# Altium PCB FPGA.PcbDoc (part 2 of 2)
Units mm, origin at the board's own origin, x right, y up, seen from the top; angles counter-clockwise.
Board outline 25.5 x 25.5 mm, 6 copper layers (1 Top (Sig/Pwr), 2 (GND), 3 (Sig/Pwr), 4 (GND/Sig), 5 (GND), 6 Bottom (Sig/Pwr)), stack 1.74 mm thick; 87 components, 94 nets, 547 pads, 156 vias.
Unrouted connection lines stored in the file: 223.
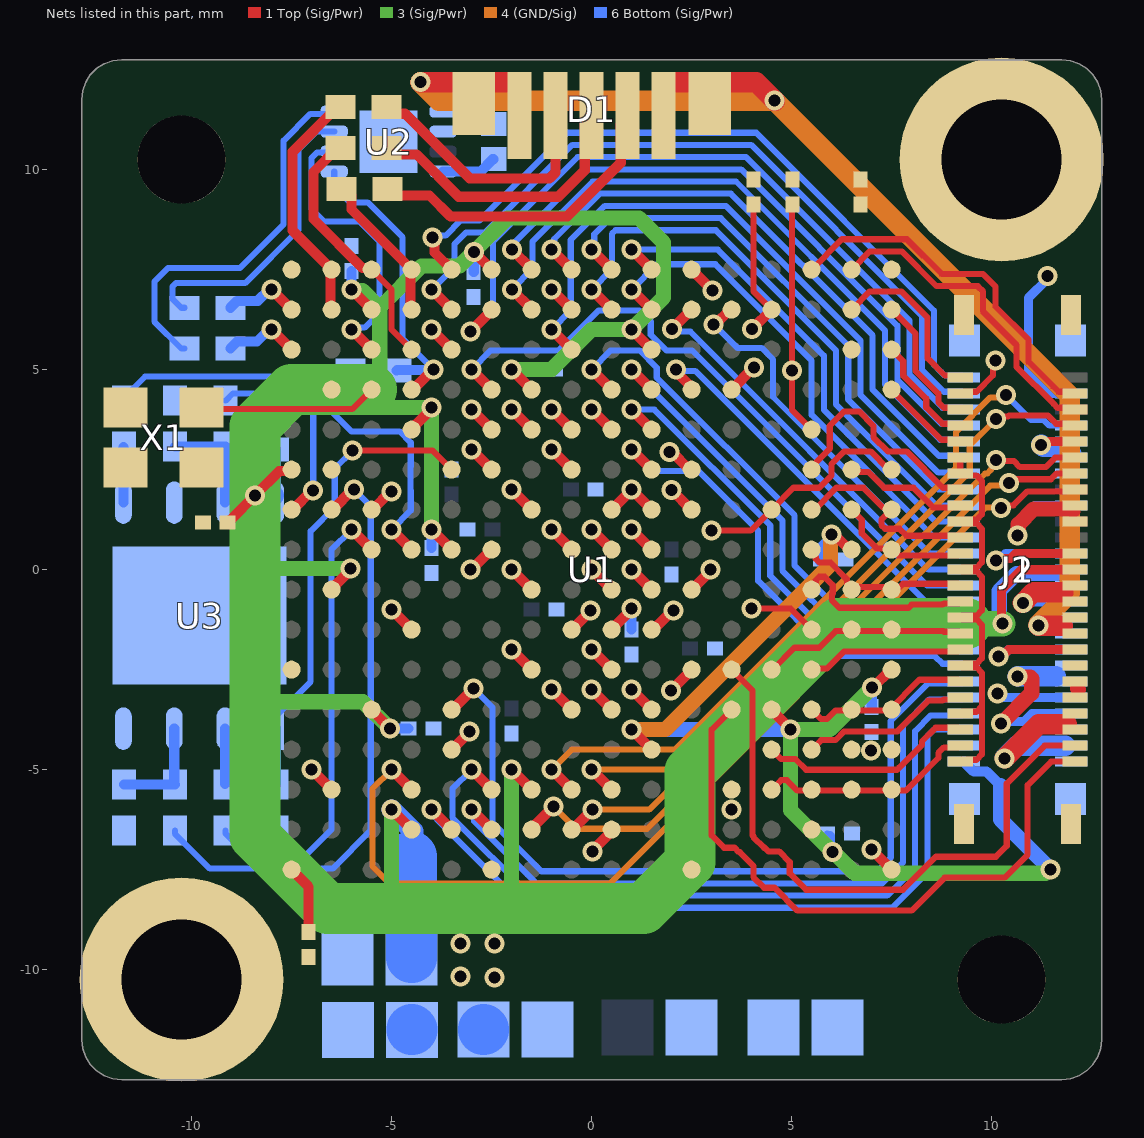
[diagram p6: the nets of this part, all layers, seen from the top]

## Via types
v1: diameter 0.5, hole 0.3, 1 Top (Sig/Pwr) to 6 Bottom (Sig/Pwr), tented both sides, 156 vias

## Nets (pads, with @x,y where several pads share a name; then routed paths per layer and width w, separated by ;. In a path a pad name is that pad's centre, name@x,y a point inside that pad or via, vN(x,y) a via of type N, cw(c..) or ccw(c..) an arc to the next point about the centre after c; other vN are vias at no path point) (continued)
+2.5: C39.2 C40.2 C41.2 C42.2 C43.2 C44.2 C45.2 J1.25 U1.A6 U1.B3 U1.D7 U1.E4 U1.F1 U1.J2 | length 31.9
  1 Top (Sig/Pwr) w0.254: v1(1,-4) U1.D7@1.5,-4.5 ; U1.E4@4.5,-3.5 4.5,-3.513 4.975,-3.987 v1(4.975,-4) ; v1(5.997,0.883) 6.044,0.836 6.111,0.836 6.447,0.5 U1.J2@6.5,0.5 ; v1(7.01,-2.946) 7.032,-2.946 7.478,-2.5 U1.F1@7.5,-2.5
  3 (Sig/Pwr) w0.381: v1(7.01,-2.946) 5.957,-4 v1(4.975,-4) 4.975,-6.016 v1(6.02,-7.061) 6.052,-7.061 6.584,-7.593 11.35,-7.593 11.443,-7.5 v1(11.475,-7.5)
  4 (GND/Sig) w0.381: v1(1,-4) 1.842,-4 5.974,0.132 5.974,0.861 v1(5.997,0.883)
  6 Bottom (Sig/Pwr) w0.152: C42.2@5.89,-6.6 C42.2@5.955,-6.665 ; v1@5.955,-6.996 v1(6.02,-7.061)
  6 Bottom (Sig/Pwr) w0.254: C41.2@4.975,-4.5 v1(4.975,-4) ; C39.2@5.707,0.204 5.707,0.527 5.997,0.817 v1(5.997,0.883) ; v1@5.955,-6.996 C42.2@5.955,-6.665 ; C40.2@7,-3.44 7.005,-3.435 7.005,-2.952 v1(7.01,-2.946) ; J1.25@9.305,-4.8 9.556,-5.051 9.876,-5.051 10.225,-5.4
  6 Bottom (Sig/Pwr) w0.381: v1(1,-4) v1(4.975,-4) ; 10.225,-5.4 10.225,-6.25 v1(11.475,-7.5)
+3.3: C17.2 C18.2 C19.1 C20.1 C21.1 C22.1 C23.1 C24.1 C25.2 C26.2 C27.2 C29.2 C30.2 C31.2 C32.2 C33.1 C34.1 C35.1 C36.1 C37.1 C38.1 C46.2 C47.2 C48.2 J1.37 J1.38 J2.38 R1.1 R2.2 R3.2 R4.2 R5.2 R7.2 R10.2 R16.2 R17.2 R18.2 R19.2 U1.A16 U1.B13 U1.C10 U1.E14 U1.H15 U1.J12 U1.L6 U1.L16 U1.M3 U1.M13 U1.N10 U1.P7 U1.R4 U1.R14 U1.T1 U1.T11 U2.6 U2.8 U3.8 X1.4 | length 105.3
  1 Top (Sig/Pwr) w0.152: C26.2@4.15,9.23 4.046,9.126 4.046,6.954 U1.R4@4.5,6.5 ; C27.2@5.014,9.01 v1(5.014,4.975) 5.014,3.986 U1.M3@5.5,3.5
  1 Top (Sig/Pwr) w0.229: v1(10.275,-1.35) 10.247,-1.322 10.247,-0.503 10.748,-0.002 J2.38@11.897,-0.002
  1 Top (Sig/Pwr) w0.254: C21.1@-9.097,1.175 -9.07,1.175 -9.024,1.221 -9.024,1.248 v1(-8.417,1.855) -7.809,2.462 -7.538,2.462 U1.L16@-7.5,2.5 ; U1.A16@-7.5,-7.462 U1.A16@-7.5,-7.5 -7.5,-7.507 -7.075,-7.932 C35.1@-7.075,-9.065 ; U1.H15@-6.5,-0.5 -6.5,-0.475 -6.025,0 v1(-6.025,0.025) ; v1(-6,7) U1.R14@-5.5,6.5 ; U1.E14@-5.5,-3.5 -5.5,-3.509 -5.043,-3.966 v1(-5.043,-3.975) ; v1(-5,-6) U1.B13@-4.5,-6.5 ; U1.M13@-4.5,3.5 -4.5,3.525 -4,4.025 v1(-4,4.05) ; v1(-4,1) U1.J12@-3.5,0.5 ; v1(-2.946,7.946) U1.T11@-2.5,7.5 ; v1(-2,-5) U1.C10@-1.5,-5.5 ; v1(-2,5) U1.N10@-1.5,4.5 ; v1(0.999,6) U1.P7@1.5,5.5 ; v1(1.946,2.946) 2.001,2.946 2.447,2.5 U1.L6@2.5,2.5 ; v1(4.013,6.02) 4.017,6.02 4.497,6.5 U1.R4@4.5,6.5
  3 (Sig/Pwr) w0.381: -8.417,-3.304 -5.714,-3.304 v1(-5.043,-3.975) ; -8.342,0.025 v1(-6.025,0.025) ; v1(-6,7) -5.977,6.977 -5.727,6.977 -5.298,6.548 ; -5.775,4.775 -5.5,4.5 ; -5.6,4.05 v1(-4,4.05) v1(-4,1) ; -5.298,4.75 -5.298,6.548 ; -5,-7.85 v1(-5,-6) ; v1@-2.969,7.923 -3.299,7.593 -4.252,7.593 -5.298,6.548 ; v1(-2.946,7.946) -2.104,8.788 1.187,8.788 1.8,8.175 1.8,6.801 v1(0.999,6) 0,6 -1.001,5 v1(-2,5) ; -2,-7.842 v1(-2,-5)
  3 (Sig/Pwr) w0.635: 9.365,-1.35 v1(10.275,-1.35)
  3 (Sig/Pwr) w1.27: -5.5,4.5 -7.5,4.5 -8.417,3.583 v1(-8.417,1.855) -8.417,-3.304 -8.417,-6.658 -6.6,-8.475 1.3,-8.475 2.463,-7.312 2.463,-5.045 6.158,-1.35 9.365,-1.35
  6 Bottom (Sig/Pwr) w0.254: U3.8@-7.895,1.81 C47.2@-7.895,2.984 ; v1(-6,7) C23.1@-6,7.465 ; v1(-5.043,-3.975) C37.1@-4.575,-3.975 ; C38.1@-4,0.545 v1(-4,1) ; U2.8@-3.715,9.95 -2.78,9.95 -2.47,10.26 C46.2@-2.45,10.26 ; C24.1@-2.946,7.439 -2.948,7.441 -2.948,7.944 v1(-2.946,7.946) ; C36.1@-2,-5.475 v1(-2,-5) ; v1(-2,5) C22.1@-1.535,5
  6 Bottom (Sig/Pwr) w0.381: 10.188,-1.08 10.188,-0.532 10.621,-0.099 J1.38@11.603,-0.099
  6 Bottom (Sig/Pwr) w0.508: v1(-8.417,1.855) U3.8@-7.94,1.855 ; v1(-5,-6) -4.459,-6.541 -4.459,-6.913
  6 Bottom (Sig/Pwr) w1.27: -4.5,-7.175 C31.2@-4.5,-9.7 C31.2@-4.496,-9.704 ; C32.2@-4.496,-11.5 C32.2@-4.492,-11.504 C32.2@-4.49,-11.502 ; C18.2@-2.702,-11.502 C18.2@-2.7,-11.5
  other v1: -2.425,-10.2 -3.275,-10.175 -3.275,-9.35 -2.425,-9.35
+5: D1.1 D1.2 D1.6 D1.7 J1.34 J1.35 J2.34 J2.35 | length 34.7
  1 Top (Sig/Pwr) w0.508: v1(-4.272,12.188) -4.27,12.186 -2.961,12.186 D1.7@-2.95,12.175 ; D1.7@-2.95,11.65 -2.95,11.91 -2.818,12.042 -2.674,12.186 -1.846,12.186 -1.8,12.14 D1.6@-1.8,11.35 ; D1.2@1.8,11.35 1.8,12.139 1.846,12.185 2.674,12.185 D1.1@2.95,11.909 ; D1.1@2.95,11.65 2.95,11.907 3.089,12.046 3.226,12.183 4.117,12.183 v1(4.575,11.725) ; v1(11.175,-1.4) 11.775,-1.4
  4 (GND/Sig) w0.508: v1(-4.272,12.188) -4.272,12.172 -3.825,11.725 v1(4.575,11.725) 11.954,4.346 11.954,-0.59 11.175,-1.369 v1(11.175,-1.4)
  6 Bottom (Sig/Pwr) w0.508: v1(11.175,-1.4) 11.775,-1.4
+12_CAB: J1.29 J1.31 J1.32 J2.30 J2.31 J2.32 | length 4.7
  1 Top (Sig/Pwr) w0.381: v1(10.237,-3.853) 11.002,-3.088 11.002,-2.969 11.002,-2.726 10.967,-2.691 10.668,-2.691 v1(10.645,-2.669) ; 12.144,-2.969 12.175,-3
  6 Bottom (Sig/Pwr) w0.229: v1(10.237,-3.853) 10.289,-3.801 10.806,-3.801 11.007,-3.6 J1.29@11.995,-3.6
  6 Bottom (Sig/Pwr) w0.508: v1(10.645,-2.669) 11.606,-2.669
AGND: C1.1 FB2.2 U1.G7 U1.H7 U1.H8 U1.J7 U1.J8 | length 3.6
  1 Top (Sig/Pwr) w0.254: v1(0,0) U1.H8@0.5,-0.5 ; v1(0,1) U1.J8@0.5,0.5 ; v1(1,0) U1.H7@1.5,-0.5 ; v1(1,1) U1.J7@1.5,0.5 ; U1.G7@1.5,-1.5 1.537,-1.5 2.012,-1.025 v1(2.05,-1.025)
CAM_CLK_EN: J2.5 U1.N1 | length 2.3
  1 Top (Sig/Pwr) w0.152: U1.N1@7.5,4.5 7.5,4.49 8.743,3.246 9.169,3.246 J2.5@9.215,3.2
CAM_CLKIN_N: J2.26 U1.E5 | length 15.9
  1 Top (Sig/Pwr) w0.152: U1.E5@3.5,-3.5 3,-4 3,-6.641 3.312,-6.954 3.573,-6.954 3.68,-7.061 3.702,-7.061 4.046,-7.405 4.046,-7.688 4.312,-7.954 4.573,-7.954 5.144,-8.525 8,-8.525 8.825,-7.7 10.323,-7.7 10.9,-7.123 10.9,-5.391 11.491,-4.8 J2.26@12.085,-4.8
CAM_CLKIN_P: J2.27 U1.F5 | length 15.6
  1 Top (Sig/Pwr) w0.152: U1.F5@3.5,-2.5 4.023,-3.023 4.023,-6.642 4.046,-6.666 4.046,-6.688 4.312,-6.954 4.327,-6.954 4.42,-7.046 4.688,-7.046 4.954,-7.312 4.954,-7.595 5.361,-8.002 7.783,-8.002 8.608,-7.177 10.106,-7.177 10.377,-6.906 10.377,-5.348 11.325,-4.4 J2.27@12.085,-4.4
CAM_CLKOUT_N: J2.24 U1.C1 U1.C2 U1.C3 U1.C4 | length 5.5
  1 Top (Sig/Pwr) w0.152: U1.C4@4.5,-5.5 4.739,-5.261 4.881,-5.261 5.146,-5.526 7.854,-5.526 8.671,-4.709 8.671,-4.58 8.805,-4.446 9.169,-4.446 J2.24@9.215,-4.4
CAM_CLKOUT_P: J2.23 U1.D4 | length 5.4
  1 Top (Sig/Pwr) w0.152: U1.D4@4.5,-4.5 4.739,-4.739 5.097,-4.739 5.362,-5.004 7.638,-5.004 7.688,-4.954 8.253,-4.388 ; 8.26,-4.382 8.26,-4.295 8.601,-3.954 9.169,-3.954 J2.23@9.215,-4
CAM_DOUT0_N: J2.21 U1.D3 | length 4.3
  1 Top (Sig/Pwr) w0.152: U1.D3@5.5,-4.5 5.739,-4.261 6.097,-4.261 6.312,-4.046 6.693,-4.046 7.642,-4.046 8.412,-3.276 8.775,-3.276 8.805,-3.246 9.169,-3.246 J2.21@9.215,-3.2
CAM_DOUT0_P: J2.20 U1.E1 U1.E2 U1.E3 | length 4.2
  1 Top (Sig/Pwr) w0.152: U1.E3@5.5,-3.5 5.739,-3.739 5.881,-3.739 6.096,-3.524 6.476,-3.524 7.425,-3.524 8.195,-2.754 9.169,-2.754 J2.20@9.215,-2.8
CAM_DOUT1_N: J2.18 U1.F3 | length 3.9
  1 Top (Sig/Pwr) w0.152: U1.F3@5.5,-2.5 5.524,-2.476 5.882,-2.476 6.312,-2.046 8.805,-2.046 9.169,-2.046 J2.18@9.215,-2
CAM_DOUT1_P: J2.17 U1.F4 U1.G1 U1.G2 | length 5.1
  1 Top (Sig/Pwr) w0.152: U1.F4@4.5,-2.5 4.522,-2.5 5.069,-1.954 5.688,-1.954 6.102,-1.539 8.791,-1.539 8.805,-1.554 9.169,-1.554 J2.17@9.215,-1.6
CAM_DOUT2_N: J2.15 U1.H3 | length 4.6
  1 Top (Sig/Pwr) w0.152: U1.H3@5.5,-0.5 5.5,-0.419 5.604,-0.316 5.604,-0.267 5.693,-0.178 5.819,-0.178 6.028,-0.386 6.028,-0.602 6.014,-0.616 6.014,-0.775 6.192,-0.954 7.924,-0.954 8.002,-0.876 8.775,-0.876 8.805,-0.846 9.169,-0.846 J2.15@9.215,-0.8
CAM_DOUT2_P: J2.14 U1.H1 U1.H2 U1.J3 | length 4.3
  1 Top (Sig/Pwr) w0.152: U1.J3@5.5,0.5 5.5,0.419 5.604,0.316 5.604,0.267 5.693,0.178 5.967,0.178 6.383,-0.239 6.383,-0.405 6.409,-0.431 7.708,-0.431 7.785,-0.354 9.169,-0.354 J2.14@9.215,-0.4
CAM_DOUT3_N: J2.12 U1.J1 U1.K2 | length 3.5
  1 Top (Sig/Pwr) w0.152: U1.K2@6.524,1.524 U1.K2@6.5,1.5 6.754,1.246 6.754,0.908 7.132,0.53 7.492,0.53 U1.J1@7.5,0.522 ; U1.J1@7.5,0.5 U1.J1@7.5,0.522 ; J2.12@9.215,0.4 9.169,0.354 7.668,0.354 U1.J1@7.5,0.522
CAM_DOUT3_P: J2.11 U1.K1 U1.K3 | length 5
  1 Top (Sig/Pwr) w0.152: U1.K3@5.5,1.5 5.573,1.5 6.119,2.046 6.793,2.046 7.283,1.557 7.443,1.557 U1.K1@7.5,1.5 7.246,1.246 7.246,1.112 7.336,1.023 7.696,1.023 7.873,0.846 9.169,0.846 J2.11@9.215,0.8
CAM_MON0: J2.4 U1.P1 | length 2.8
  1 Top (Sig/Pwr) w0.152: U1.P1@7.5,5.5 7.79,5.21 7.79,4.851 8.367,4.275 8.367,4.054 8.774,3.646 9.169,3.646 J2.4@9.215,3.6
CAM_RESET: J2.3 U1.R1 | length 3.4
  1 Top (Sig/Pwr) w0.152: U1.R1@7.5,6.5 8.095,5.905 8.095,4.977 8.671,4.401 8.671,4.18 8.805,4.046 9.169,4.046 J2.3@9.215,4
CAM_SPI_CLK: J2.43 U1.C13 | length 25.2
  1 Top (Sig/Pwr) w0.152: v1(10.237,1.541) 10.3,1.604 10.546,1.604 10.895,1.954 11.846,1.954 11.893,2 J2.43@12.085,2
  1 Top (Sig/Pwr) w0.254: v1(-5,-5) U1.C13@-4.5,-5.5
  4 (GND/Sig) w0.152: v1(-5,-5) -5.479,-5.479 -5.479,-7.421 -5.05,-7.85 0.448,-7.85 9.852,1.554 10.224,1.554 v1(10.237,1.541)
CAM_SPI_CS: J2.44 U1.B10 | length 17.6
  1 Top (Sig/Pwr) w0.152: v1(10.429,2.165) v1@10.496,2.231 ; v1@10.496,2.258 11.481,2.258 11.631,2.408 12.077,2.408 J2.44@12.085,2.4
  1 Top (Sig/Pwr) w0.254: U1.B10@-1.463,-6.425 v1@-0.963,-5.925
  4 (GND/Sig) w0.152: v1(-0.95,-5.925) -0.396,-6.479 1.389,-6.479 9.965,2.098 10.363,2.098 v1(10.429,2.165)
CAM_SPI_MISO: J2.45 U1.B9 | length 16.6
  1 Top (Sig/Pwr) w0.152: v1(10.112,2.735) 10.131,2.716 10.555,2.716 10.708,2.563 11.355,2.563 11.592,2.8 J2.45@12.085,2.8
  1 Top (Sig/Pwr) w0.254: U1.B9@-0.5,-6.5 -0.488,-6.5 0.012,-6 v1(0.025,-6)
  4 (GND/Sig) w0.152: v1(0.025,-6) 1.436,-6 9.839,2.403 9.894,2.403 9.983,2.492 9.983,2.511 10.112,2.641 v1(10.112,2.735)
CAM_SPI_MOSI: J2.47 U1.C8 | length 16.9
  1 Top (Sig/Pwr) w0.152: v1(10.11,3.766) 10.177,3.832 10.414,3.832 10.43,3.848 11.411,3.848 11.613,3.646 11.846,3.646 11.893,3.6 J2.47@12.085,3.6
  1 Top (Sig/Pwr) w0.254: v1(0,-5) U1.C8@0.5,-5.5
  4 (GND/Sig) w0.152: v1(0,-5) 2.005,-5 9.454,2.449 9.454,3.109 v1(10.11,3.766)
CAM_SYNC_N: J2.9 U1.L2 | length 3.1
  1 Top (Sig/Pwr) w0.152: U1.L2@6.5,2.5 6.557,2.443 6.915,2.443 7.312,2.046 8.042,2.046 8.535,1.554 9.169,1.554 J2.9@9.215,1.6
CAM_SYNC_P: J2.8 U1.L3 | length 5.7
  1 Top (Sig/Pwr) w0.152: U1.L3@5.5,2.5 5.5,2.573 5.954,3.026 5.954,3.595 6.312,3.954 6.688,3.954 7.046,3.595 7.046,3.312 7.405,2.954 7.874,2.954 8.782,2.046 9.169,2.046 J2.8@9.215,2
CAM_TRIG0: J2.1 U1.R2 | length 4.4
  1 Top (Sig/Pwr) w0.152: U1.R2@6.5,6.5 6.954,6.954 7.746,6.954 8.4,6.3 8.4,5.283 8.834,4.849 9.166,4.849 J2.1@9.215,4.8
CFGBVS: R2.1 U1.E7 | length 0.7
  1 Top (Sig/Pwr) w0.254: v1(1,-3) U1.E7@1.5,-3.5
CONF_CLK: U1.P14 U2.2 | length 7.3
  1 Top (Sig/Pwr) w0.254: v1(-6,6) U1.P14@-5.5,5.5
  6 Bottom (Sig/Pwr) w0.152: U2.2@-6.435,10.45 -6.456,10.429 -6.861,10.429 -7.004,10.286 -7.004,9.018 -6.686,8.7 -5.8,8.7 -5.3,8.2 -5.3,6.425 -5.676,6.049 -5.952,6.049 v1(-6,6)
CONF_CS: R7.1 U1.N13 U2.1 | length 7.9
  1 Top (Sig/Pwr) w0.254: U1.N13@-4.5,4.5 -4.475,4.5 -3.975,5 v1(-3.95,5)
  6 Bottom (Sig/Pwr) w0.152: U2.1@-6.435,9.95 -6.435,9.571 -6.043,9.18 -5.599,9.18 -4.725,8.306 -4.725,5.775 v1(-3.95,5)
  6 Bottom (Sig/Pwr) w0.254: R7.1@-4.875,4.975 -4.862,4.987 -3.963,4.987 v1(-3.95,5)
CONF_MISO: R12.2 U1.P16 | length 1.9
  1 Top (Sig/Pwr) w0.254: v1(-8,6) U1.P16@-7.5,5.5
  6 Bottom (Sig/Pwr) w0.254: R12.2@-9.031,5.528 -8.858,5.701 -8.365,5.701 -8.067,6 v1(-8,6)
CONF_MISO_NR: R12.1 U2.4 | length 9.5
  6 Bottom (Sig/Pwr) w0.152: R12.1@-10.181,5.528 -10.256,5.528 -10.93,6.202 -10.93,7.2 -10.584,7.545 -8.787,7.545 -7.7,8.632 -7.7,10.725 -7.031,11.394 -6.491,11.394 U2.4@-6.435,11.45
CONF_MOSI: R9.2 U1.R16 | length 1.9
  1 Top (Sig/Pwr) w0.254: v1(-8,7) U1.R16@-7.5,6.5
  6 Bottom (Sig/Pwr) w0.254: R9.2@-9.031,6.546 -8.858,6.719 -8.348,6.719 -8.067,7 v1(-8,7)
CONF_MOSI_NR: R9.1 U2.3 | length 7.5
  6 Bottom (Sig/Pwr) w0.152: R9.1@-10.181,6.546 -10.256,6.546 -10.479,6.77 -10.479,6.858 -10.481,6.859 -10.481,7.075 -10.393,7.163 -8.662,7.163 -7.335,8.49 -7.335,10.501 -6.886,10.95 U2.3@-6.435,10.95
DONE: R5.1 R6.2 U1.H10 | length 0.7
  1 Top (Sig/Pwr) w0.254: v1(-2,0) U1.H10@-1.5,-0.5
DONE_LED: D2.1 R6.1
ENC: M1.1 M2.1 pad.1
FLASH_CLK: U1.E8 U3.6 | length 0.7
  1 Top (Sig/Pwr) w0.254: v1(0,-3) U1.E8@0.5,-3.5
FLASH_CS: R18.1 U1.L12 U3.1 | length 11.8
  1 Top (Sig/Pwr) w0.152: v1(-5.975,2.975) -3.975,2.975 U1.L12@-3.5,2.5
  6 Bottom (Sig/Pwr) w0.152: U3.1@-7.88,-3.976 -7.88,-3.655 -7.025,-2.8 -7.025,0.963 -6.422,1.565 -6.422,2.528 v1(-5.975,2.975)
  6 Bottom (Sig/Pwr) w0.254: R18.1@-7.895,-5.36 U3.1@-7.895,-3.976
FLASH_D0: R20.2 U1.J13 | length 11.2
  1 Top (Sig/Pwr) w0.254: v1(-5,1) U1.J13@-4.5,0.5
  6 Bottom (Sig/Pwr) w0.152: R20.2@-11.69,4.299 -11.161,4.828 -7.378,4.828 -6.004,3.454 -4.802,3.454 -4.521,3.173 -4.521,2.576 -4.525,2.572 -4.525,1.975 -4.521,1.971 -4.521,1.479 v1(-5,1)
FLASH_D0_NR: R20.1 U3.5 | length 1.4
  6 Bottom (Sig/Pwr) w0.254: U3.5@-11.705,1.676 R20.1@-11.705,3.059
FLASH_D1: R21.1 U1.J14 | length 11.6
  1 Top (Sig/Pwr) w0.254: v1(-6,1) U1.J14@-5.5,0.5
  6 Bottom (Sig/Pwr) w0.152: R21.1@-9.15,-6.526 -9.15,-6.601 -8.58,-7.17 -7.175,-7.17 -6.504,-6.499 -6.504,0.496 v1(-6,1)
FLASH_D1_NR: R21.2 U3.2 | length 1.4
  6 Bottom (Sig/Pwr) w0.254: R21.2@-9.165,-5.36 U3.2@-9.165,-3.976
FLASH_D2: R22.2 U1.K15 | length 15.2
  1 Top (Sig/Pwr) w0.254: U1.K15@-6.5,1.5 -6.475,1.5 -5.968,2.007 v1(-5.944,2.007)
  6 Bottom (Sig/Pwr) w0.152: R22.2@-10.42,-6.526 -10.42,-6.601 -9.545,-7.475 -6.475,-7.475 -5.521,-6.521 -5.521,1.584 v1(-5.944,2.007)
FLASH_D2_NR: R16.1 R22.1 U3.3 | length 2.7
  6 Bottom (Sig/Pwr) w0.254: R16.1@-11.69,-5.376 R22.1@-10.42,-5.376 ; R22.1@-10.435,-5.36 U3.3@-10.435,-3.976
FLASH_D3: R23.2 U1.K16 | length 5.1
  1 Top (Sig/Pwr) w0.254: U1.K16@-7.5,1.5 -7.47,1.5 -6.989,1.981 v1(-6.96,1.981)
  6 Bottom (Sig/Pwr) w0.152: R23.2@-9.15,4.224 -8.966,4.408 -7.465,4.408 -6.96,3.903 v1(-6.96,1.981)
FLASH_D3_NR: R17.1 R23.1 U3.7 | length 2.7
  6 Bottom (Sig/Pwr) w0.254: R17.1@-10.42,3.074 R23.1@-9.15,3.074 ; U3.7@-9.165,1.676 R23.1@-9.165,3.059
FPGA_CLK: U1.N14 X1.3 | length 4.3
  1 Top (Sig/Pwr) w0.152: X1.3@-9.55,4.05 -9.513,4.013 -5.987,4.013 U1.N14@-5.5,4.5
GND: C2.1 C3.1 C4.1 C5.1 C6.1 C7.1 C8.1 C9.1 C10.1 C11.2 C12.2 C13.2 C14.2 C15.2 C16.1 C17.1 C18.1 C19.2 C20.2 C21.2 C22.2 C23.2 C24.2 C25.1 C26.1 C27.1 C29.1 C30.1 C31.1 C32.1 C33.2 C34.2 C35.2 C36.2 C37.2 C38.2 C39.1 C40.1 C41.1 C42.1 C43.1 C44.1 C45.1 C46.1 C47.1 C48.1 D2.2 FB2.1 J1.24 J1.26 J1.27 J1.28 J1.30 J1.33 J1.36 J1.39 J1.42 J1.44 J1.45 J1.46 J1.49 J1.MNT J2.2 J2.6 J2.7 J2.10 J2.13 J2.16 J2.19 J2.22 J2.25 J2.28 J2.29 J2.33 J2.36 J2.37 J2.39 J2.41 J2.42 J2.46 J2.MNT R13.2 R15.2 R24.2 U1.A1 U1.A11 U1.B8 U1.C5 U1.C15 U1.D1 U1.D2 U1.D12 U1.E9 U1.F6 U1.F8 U1.F10 U1.F16 U1.G3 U1.G9 U1.G13 U1.H6 U1.J9 U1.J11 U1.K4 U1.K6 U1.K7 U1.K8 U1.K14 U1.L1 U1.L11 U1.M8 U1.N5 U1.N15 U1.P2 U1.P12 U1.R9 U1.T6 U1.T16 U2.5 U2.9 U3.4 U3.9 X1.2 | length 62.6
  1 Top (Sig/Pwr) w0.152: v1(3,0.975) 3.975,0.975 4.487,1.487 4.487,1.5 U1.K4@4.5,1.5 5.046,2.046 5.688,2.046 6,2.358 6,2.641 6.312,2.954 6.974,2.954 7.428,2.5 U1.L1@7.5,2.5 ; v1(4,-0.975) 4.975,-0.975 U1.G3@5.5,-1.5 ; J2.25@9.215,-4.8 9.261,-4.754 9.625,-4.754 9.759,-4.62 9.759,-3.42 ; J2.22@9.215,-3.6 9.261,-3.554 9.625,-3.554 9.759,-3.42 ; J2.6@9.215,2.8 J2.7@9.215,2.4 9.261,2.354 9.625,2.354 9.759,2.22 9.759,1.38 9.625,1.246 9.261,1.246 J2.10@9.215,1.2 9.261,1.154 9.625,1.154 9.759,1.02 9.759,0.687 9.759,0.18 9.625,0.046 9.261,0.046 J2.13@9.215,0 9.261,-0.046 9.625,-0.046 9.759,-0.18 9.759,-1.02 9.625,-1.154 9.261,-1.154 J2.16@9.215,-1.2 9.261,-1.246 9.625,-1.246 9.759,-1.38 9.759,-2.22 9.625,-2.354 9.261,-2.354 J2.19@9.215,-2.4 9.261,-2.446 9.625,-2.446 9.759,-2.58 9.759,-3.42 ; J2.2@9.215,4.4 9.261,4.446 9.625,4.446 10.035,4.857 10.035,5.158 v1(10.101,5.225) ; J2.6@9.389,2.82 9.434,2.82 J2.6@9.454,2.8 ; J2.MNT@11.99,6.36 J2.MNT@12.164,6.534
  1 Top (Sig/Pwr) w0.229: v1(10.11,0.229) 10.162,0.281 10.474,0.281 10.594,0.4 J2.39@12.085,0.4 ; v1(10.175,-2.175) 10.248,-2.175 10.423,-2 J2.33@12.085,-2 ; v1(11.236,3.121) 11.31,3.121 11.388,3.2 J2.46@12.085,3.2 ; 12.038,1.466 12.085,1.419
  1 Top (Sig/Pwr) w0.254: v1(-7,-5) U1.C15@-6.5,-5.5 ; U1.K14@-5.5,1.5 -5.48,1.5 -5.024,1.956 v1(-5.004,1.956) ; v1(-5,-1) U1.G13@-4.5,-1.5 ; v1(-4,6) U1.P12@-3.5,5.5 ; U1.D12@-3.5,-4.5 v1(-3.05,-4.05) ; v1(-3.025,0) -3.012,0 -2.513,0.5 U1.J11@-2.5,0.5 ; v1(-3,3) U1.L11@-2.5,2.5 ; v1(-2,-2) U1.F10@-1.5,-2.5 ; v1(-1,-3) U1.E9@-0.5,-3.5 ; v1(-1,1) U1.J9@-0.5,0.5 ; v1(-1,7) U1.R9@-0.5,6.5 ; U1.G9@-0.5,-1.5 v1(-0.025,-1.025) ; v1(0,-2) U1.F8@0.5,-2.5 ; v1(0,4) U1.M8@0.5,3.5 ; v1(0.025,-7.05) 0.025,-7.012 0.5,-6.538 U1.B8@0.5,-6.5 ; U1.K8@0.5,1.5 v1(1,2) U1.K7@1.5,1.5 ; v1(1.979,-3.025) 2.5,-2.504 U1.F6@2.5,-2.5 ; v1(2,1.989) 2.006,1.989 2.494,1.5 U1.K6@2.5,1.5 ; U1.H6@2.5,-0.5 v1@2.975,-0.025 ; U1.T6@2.5,7.5 v1(3.025,6.975) ; U1.N5@3.5,4.5 v1(4.056,5.056) ; U1.P2@6.5,5.492 U1.P2@6.5,5.5 ; v1(7,-7) U1.A1@7.5,-7.5
  1 Top (Sig/Pwr) w0.381: v1(10.645,0.855) 10.667,0.878 10.667,1.133 11.052,1.518 11.874,1.518 11.877,1.514 11.989,1.514 12.038,1.466
  1 Top (Sig/Pwr) w0.508: v1(10.325,-4.718) 11.174,-3.869 11.881,-3.869 ; v1(10.781,-0.835) 11.047,-0.569 11.798,-0.569
  6 Bottom (Sig/Pwr) w0.229: v1(10.151,-3.101) 10.224,-3.101 10.323,-3.2 J1.30@11.995,-3.2 ; v1(10.175,-2.175) 10.248,-2.175 10.423,-2 J1.33@11.995,-2 ; 10.354,0.4 J1.39@11.995,0.4 ; v1(10.645,0.855) 10.696,0.907 10.696,1.215 11.081,1.6 J1.42@11.995,1.6 ; v1(10.781,-0.835) 10.807,-0.808 11.97,-0.808 J1.36@11.978,-0.8 ; v1(11.403,7.346) 11.403,7.273 10.923,6.793 10.923,4.965 11.48,4.408 J1.49@11.987,4.408
  6 Bottom (Sig/Pwr) w0.508: v1(10.325,-4.718) 10.325,-4.698 10.623,-4.4 J1.27@11.844,-4.4 ; v1(11.236,3.121) 11.24,3.121 11.295,3.067 11.657,3.067 ; 11.846,3.046 11.995,2.897 J1.45@11.995,2.8
  other v1: 3.5,-6 6.985,-4.525 2.975,0
INIT_B: R4.1 U1.K10 | length 0.7
  1 Top (Sig/Pwr) w0.254: v1(-2,2) U1.K10@-1.5,1.5
IR_FAULT: J2.49 U1.T3 | length 9.1
  1 Top (Sig/Pwr) w0.152: U1.T3@5.5,7.5 6.258,8.258 7.884,8.258 8.749,7.393 9.781,7.393 10.093,7.081 10.093,6.578 10.925,5.746 10.925,5.197 11.541,4.58 11.675,4.446 12.039,4.446 J2.49@12.085,4.4
IR_PWM: J2.48 U1.T2 | length 8
  1 Top (Sig/Pwr) w0.152: U1.T2@6.5,7.5 6.954,7.954 7.757,7.954 8.622,7.089 9.655,7.089 9.789,6.955 9.789,6.452 10.62,5.62 10.62,5.07 11.549,4.142 11.644,4.046 11.846,4.046 11.893,4 J2.48@12.085,4
LED_B: R14.1 U1.R15 U1.T15 | length 6
  1 Top (Sig/Pwr) w0.254: U1.R15@-6.5,6.5 -6.529,6.529 -6.529,7.471 U1.T15@-6.5,7.5 -7.475,8.475 -7.475,10.446 -6.351,11.57 R14.1@-6.276,11.57
LED_B_CA: D1.5 R14.2 | length 6.4
  1 Top (Sig/Pwr) w0.254: R14.2@-5.126,11.57 -4.953,11.397 -4.662,11.397 -3.046,9.781 -1.049,9.781 -0.9,9.93 D1.5@-0.9,11.3
LED_G: R8.1 U1.R13 U1.T13 | length 3.9
  1 Top (Sig/Pwr) w0.254: R8.1@-6.251,9.52 -6.176,9.52 -6.003,9.347 -6.003,9.003 U1.T13@-4.529,7.529 ; U1.T13@-4.529,7.554 U1.T13@-4.529,7.529 ; U1.R13@-4.5,6.5 -4.529,6.529 U1.T13@-4.529,7.529 ; U1.T13@-4.5,7.5 U1.T13@-4.529,7.529
LED_G_CA: D1.3 R8.2 | length 7.9
  1 Top (Sig/Pwr) w0.254: R8.2@-5.101,9.52 -4.933,9.352 -4.052,9.352 -3.531,8.831 -0.611,8.831 0.727,10.169 0.727,11.127 D1.3@0.9,11.3
LED_R: R11.1 U1.P13 U1.T14 | length 6.5
  1 Top (Sig/Pwr) w0.152: U1.T14@-5.5,7.5 -5,7 -5,6 U1.P13@-4.5,5.5
  1 Top (Sig/Pwr) w0.254: R11.1@-6.276,10.545 -6.351,10.545 -6.954,9.942 -6.954,8.765 -5.727,7.538 -5.538,7.538 U1.T14@-5.5,7.5
LED_R_CA: D1.4 R11.2 | length 7.1
  1 Top (Sig/Pwr) w0.254: R11.2@-5.126,10.545 -4.962,10.381 -4.379,10.381 -3.321,9.323 -0.832,9.323 -0.173,9.982 -0.173,11.127 D1.4@0,11.3
LED_USER: D3.1
LED_USER_DRAIN: D3.2 R24.1
MODE_0: R10.1 U1.M9 | length 0.7
  1 Top (Sig/Pwr) w0.254: v1(-1,4) U1.M9@-0.5,3.5
MODE_1: R13.1 U1.M10 | length 0.7
  1 Top (Sig/Pwr) w0.254: v1(-2,4) U1.M10@-1.5,3.5
MODE_2: R15.1 U1.M11 | length 0.7
  1 Top (Sig/Pwr) w0.254: v1(-3,4) U1.M11@-2.5,3.5
NetR19_1: R19.1 X1.1
PROGRAM_B: R3.1 U1.L9 | length 0.7
  1 Top (Sig/Pwr) w0.254: v1(-1,3) U1.L9@-0.5,2.5
PUDC_B: R1.2 U1.L15
PWR_12V_OFF: J1.47 U1.C9 | length 18.4
  1 Top (Sig/Pwr) w0.254: v1(-1,-5) U1.C9@-0.5,-5.5
  4 (GND/Sig) w0.152: v1(-1,-5) -0.498,-4.498 2.076,-4.498 9.107,2.534 9.107,3.44 9.971,4.304 10.289,4.304 v1(10.356,4.37)
  6 Bottom (Sig/Pwr) w0.152: v1(10.356,4.37) 10.989,3.737 11.307,3.737 11.444,3.6 J1.47@11.995,3.6
RIO_CS: J1.23 U1.B12 | length 18.9
  1 Top (Sig/Pwr) w0.254: v1(-4,-6) U1.B12@-3.5,-6.5
  6 Bottom (Sig/Pwr) w0.152: v1(-4,-6) -4,-6.094 -3.868,-6.226 -3.868,-6.24 -1.654,-8.454 7.516,-8.454 8.393,-7.577 8.393,-4.162 8.555,-4 J1.23@9.305,-4
RIO_MISO: J1.22 U1.C11 | length 19.6
  1 Top (Sig/Pwr) w0.254: v1(-3,-5) U1.C11@-2.5,-5.5
  6 Bottom (Sig/Pwr) w0.152: v1(-3,-5) -3.479,-5.479 -3.479,-6.198 -1.527,-8.149 7.39,-8.149 8.088,-7.451 8.088,-4.036 8.477,-3.646 9.259,-3.646 J1.22@9.305,-3.6
RIO_MOSI: J1.21 U1.B11 | length 17.8
  1 Top (Sig/Pwr) w0.254: v1(-3,-6) U1.B11@-2.5,-6.5
  6 Bottom (Sig/Pwr) w0.152: v1(-3,-6) -2.934,-6.066 -2.934,-6.291 -1.38,-7.845 7.263,-7.845 7.783,-7.324 7.783,-3.909 8.446,-3.246 9.259,-3.246 J1.21@9.305,-3.2
RIO_SCLK: J1.20 U1.E12 | length 20.6
  1 Top (Sig/Pwr) w0.254: U1.E12@-3.5,-3.5 -3.488,-3.5 -2.963,-2.975 v1(-2.95,-2.975)
  6 Bottom (Sig/Pwr) w0.152: v1(-2.95,-2.975) -2.479,-3.446 -2.479,-6.315 -1.254,-7.54 7.137,-7.54 7.479,-7.198 7.479,-3.783 8.415,-2.846 9.259,-2.846 J1.20@9.305,-2.8
USB_CLKOUT: J1.14 U1.N11 | length 16.7
  1 Top (Sig/Pwr) w0.254: v1(-3,5) U1.N11@-2.5,4.5
  6 Bottom (Sig/Pwr) w0.152: v1(-3,5) -2.521,5.479 -0.821,5.479 0.179,6.479 1.197,6.479 1.478,6.198 1.478,5.872 1.871,5.479 2.509,5.479 8.388,-0.4 J1.14@9.305,-0.4
USB_D0: J1.1 U1.T12 | length 18.7
  1 Top (Sig/Pwr) w0.254: v1(-3.975,8.3) -3.928,8.253 -3.928,7.929 U1.T12@-3.5,7.5
  6 Bottom (Sig/Pwr) w0.152: v1(-3.975,8.3) -3.926,8.349 -3.652,8.349 -3.271,8.729 -2.798,8.729 -0.606,10.922 4.115,10.922 8.56,6.477 8.56,5.123 8.746,4.937 8.834,4.849 9.256,4.849 J1.1@9.305,4.8
USB_D1: J1.2 U1.R12 | length 19.2
  1 Top (Sig/Pwr) w0.254: v1(-4,7) U1.R12@-3.5,6.5
  6 Bottom (Sig/Pwr) w0.152: v1(-4,7) -3.425,7.575 -3.425,7.748 -3.425,8.144 -3.144,8.425 -2.672,8.425 -0.48,10.617 -0.383,10.617 3.989,10.617 8.255,6.351 8.255,4.997 8.805,4.446 9.259,4.446 J1.2@9.305,4.4
USB_D2: J1.3 U1.R11 | length 19.3
  1 Top (Sig/Pwr) w0.254: v1(-3.025,5.95) -3.025,5.963 -2.5,6.488 U1.R11@-2.5,6.5
  6 Bottom (Sig/Pwr) w0.152: v1(-3.025,5.95) -2.467,6.508 -2.467,8.198 -0.353,10.312 0.062,10.312 3.862,10.312 7.95,6.225 7.95,4.87 8.774,4.046 9.259,4.046 J1.3@9.305,4
USB_D3: J1.4 U1.T10 | length 16.3
  1 Top (Sig/Pwr) w0.254: v1(-1.989,8) -1.989,7.994 -1.5,7.506 U1.T10@-1.5,7.5
  6 Bottom (Sig/Pwr) w0.152: v1@-2.002,8.107 -0.102,10.008 3.736,10.008 7.645,6.098 7.645,4.744 8.743,3.646 9.259,3.646 J1.4@9.305,3.6 ; v1(-1.989,8) v1@-1.989,8.094
USB_D4: J1.5 U1.R10 | length 17
  1 Top (Sig/Pwr) w0.254: v1(-1.989,7) -1.989,6.994 -1.5,6.506 U1.R10@-1.5,6.5
  6 Bottom (Sig/Pwr) w0.152: v1(-1.989,7) -1.989,7.011 -1.479,7.521 -1.479,8.198 0.026,9.703 0.178,9.703 3.61,9.703 7.331,5.982 7.331,4.628 8.712,3.246 9.259,3.246 J1.5@9.305,3.2
USB_D5: J1.6 U1.T9 | length 15.2
  1 Top (Sig/Pwr) w0.254: v1(-1,8) U1.T9@-0.5,7.5
  6 Bottom (Sig/Pwr) w0.152: v1(-1,8) -0.934,8.067 -0.934,8.266 0.199,9.398 3.484,9.398 7.026,5.856 7.026,4.502 8.681,2.846 9.259,2.846 J1.6@9.305,2.8
USB_D6: J1.7 U1.P9 | length 16.9
  1 Top (Sig/Pwr) w0.254: v1(-1,6) U1.P9@-0.5,5.5
  6 Bottom (Sig/Pwr) w0.152: v1(-1,6) -0.521,6.479 -0.521,8.242 0.33,9.093 3.357,9.093 6.721,5.73 6.721,4.376 8.671,2.425 9.28,2.425 J1.7@9.305,2.4
USB_D7: J1.8 U1.T8 | length 14.1
  1 Top (Sig/Pwr) w0.254: v1(0,8) U1.T8@0.5,7.5
  6 Bottom (Sig/Pwr) w0.152: v1(0,8) 0.066,8.067 0.066,8.384 0.471,8.788 3.231,8.788 6.416,5.603 6.416,4.249 8.665,2 J1.8@9.305,2
USB_OE: J1.15 U1.N6 | length 10.3
  1 Top (Sig/Pwr) w0.254: v1(2.108,5) 2.108,4.945 2.5,4.553 U1.N6@2.5,4.5
  6 Bottom (Sig/Pwr) w0.152: v1(2.108,5) 2.137,4.97 2.586,4.97 8.357,-0.8 J1.15@9.305,-0.8
USB_RD: J1.11 U1.R7 | length 12.9
  1 Top (Sig/Pwr) w0.254: v1(1,7) U1.R7@1.5,6.5
  6 Bottom (Sig/Pwr) w0.152: v1(1,7) 1.633,7.633 3.093,7.633 5.502,5.225 5.502,3.871 8.572,0.8 J1.11@9.305,0.8
USB_RXF: J1.9 U1.R8 | length 14.8
  1 Top (Sig/Pwr) w0.254: v1(0,7) U1.R8@0.5,6.5
  6 Bottom (Sig/Pwr) w0.152: v1(0,7) 0.508,7.508 0.508,8.394 0.597,8.484 3.105,8.484 6.111,5.477 6.111,4.123 8.634,1.6 J1.9@9.305,1.6
USB_SIWU: J1.13 U1.R6 | length 10.5
  1 Top (Sig/Pwr) w0.254: v1(2.007,6.02) 2.013,6.02 2.493,6.5 U1.R6@2.5,6.5
  6 Bottom (Sig/Pwr) w0.152: v1(2.007,6.02) 2.073,5.953 2.466,5.953 8.419,0 J1.13@9.305,0
USB_TCK: J1.19 U1.L7 | length 12
  1 Top (Sig/Pwr) w0.254: v1(1,3) U1.L7@1.5,2.5
  6 Bottom (Sig/Pwr) w0.152: v1(1,3) 1.532,2.467 2.67,2.467 4.161,0.977 4.161,-0.279 6.045,-2.163 8.584,-2.163 8.774,-2.354 9.259,-2.354 J1.19@9.305,-2.4
USB_TDI: J1.17 U1.N7 | length 12.5
  1 Top (Sig/Pwr) w0.254: v1(1,5) U1.N7@1.5,4.5
  6 Bottom (Sig/Pwr) w0.152: v1(1,5) 4.77,1.23 4.77,-0.026 6.297,-1.553 8.805,-1.553 9.259,-1.554 J1.17@9.305,-1.6
USB_TDO: J1.16 U1.N8 | length 13.9
  1 Top (Sig/Pwr) w0.254: v1(0,5) U1.N8@0.5,4.5
  6 Bottom (Sig/Pwr) w0.152: v1(0,5) 0.479,5.479 1.198,5.479 1.629,5.048 1.629,4.802 5.075,1.356 5.075,0.1 6.375,-1.2 J1.16@9.305,-1.2
USB_TMS: J1.18 U1.M7 | length 12.2
  1 Top (Sig/Pwr) w0.254: v1(1,4) U1.M7@1.5,3.5
  6 Bottom (Sig/Pwr) w0.152: v1(1,4) 1.569,4 4.465,1.104 4.465,-0.152 6.171,-1.858 8.71,-1.858 8.805,-1.954 9.259,-1.954 J1.18@9.305,-2
USB_TXE: J1.10 U1.T7 | length 12.6
  1 Top (Sig/Pwr) w0.254: v1(1,8) U1.T7@1.5,7.5
  6 Bottom (Sig/Pwr) w0.152: v1(1,8) 3.157,8 5.807,5.351 5.807,3.997 8.603,1.2 J1.10@9.305,1.2
USB_WR: J1.12 U1.R5 | length 9.8
  1 Top (Sig/Pwr) w0.254: v1(3.053,6.134) 3.093,6.134 3.459,6.5 U1.R5@3.5,6.5
  6 Bottom (Sig/Pwr) w0.152: v1(3.053,6.134) 3.645,5.541 4.248,5.541 4.535,5.255 4.535,4.315 8.45,0.4 J1.12@9.305,0.4
VCCADC: C1.2 C2.2 FB1.1 U1.G8 | length 1.3
  1 Top (Sig/Pwr) w0.254: U1.G8@0.5,-1.5 0.5,-1.488 1,-0.987 v1(1,-0.975)
  6 Bottom (Sig/Pwr) w0.254: C2.2@1,-1.5 v1(1,-0.975)
pads on no net: U1.A2 U1.A3 U1.A4 U1.A5 U1.A7 U1.A8 U1.A9 U1.A10 U1.A12 U1.A13 U1.A14 U1.A15 U1.B1 U1.B2 U1.B4 U1.B5 U1.B6 U1.B7 U1.B14 U1.B15 U1.B16 U1.C6 U1.C7 U1.C12 U1.C14 U1.C16 U1.D5 U1.D6 U1.D8 U1.D9 U1.D10 U1.D11 U1.D13 U1.D14 U1.D15 U1.D16 U1.E6 U1.E11 U1.E13 U1.E15 U1.E16 U1.F2 U1.F12 U1.F13 U1.F14 U1.F15 U1.G4 U1.G5 U1.G11 U1.G12 U1.G14 U1.G15 U1.G16 U1.H4 U1.H5 U1.H11 U1.H12 U1.H13 U1.H14 U1.H16 U1.J4 U1.J5 U1.J15 U1.J16 U1.K5 U1.K12 U1.K13 U1.L4 U1.L5 U1.L13 U1.L14 U1.M1 U1.M2 U1.M4 U1.M5 U1.M6 U1.M12 U1.M14 U1.M15 U1.M16 U1.N2 U1.N3 U1.N4 U1.N9 U1.N12 U1.N16 U1.P3 U1.P4 U1.P5 U1.P6 U1.P8 U1.P10 U1.P11 U1.P15 U1.R3 U1.T4 U1.T5 U2.7
copper on no net: | length 12.8
  1 Top (Sig/Pwr) w0.254: v1(-7,-6) -6.5,-6.5 ; v1(-7,-4) -6.5,-4.5 ; v1(-7,6) -6.5,5.5 ; v1(-6,-6) -5.5,-6.5 ; v1(-6,-5) -5.5,-5.5 ; v1(-6,-4) -5.5,-4.5 ; v1(-6,-2) -5.5,-2.5 ; v1(-6,-1) -5.5,-1.5 ; v1(-5,-2) -4.5,-2.5 ; v1(-5,0) -4.5,-0.5 ; -4.5,-3.5 v1(-4,-3) ; v1(-4,-5) -3.5,-5.5 ; v1(-4,-2) -3.5,-2.5 ; v1(-4,-1) -3.5,-1.5 ; v1(-3,-1) -2.5,-1.5 ; v1(-2,6) -1.5,5.5 ; v1(-1,-4) -0.5,-4.5 ; v1(0,-4) 0.5,-4.5 ; 2.475,5.5 2.5,5.5 ; 2.5,3.5 2.5,3.533 ; 3.5,7.469 3.5,7.5 3.5,7.475

## Polygon pours and split planes (outlines as drawn)
GND on 2 (GND) (split plane): 11.858,12.224 11.961,12.188 12.053,12.13 12.13,12.053 12.188,11.961 12.224,11.858 12.24,11.721 12.24,-11.721 12.224,-11.858 12.188,-11.961 12.13,-12.053 12.053,-12.13 11.961,-12.188 11.858,-12.224 11.721,-12.24 -11.721,-12.24 -11.858,-12.224 -11.961,-12.188 -12.053,-12.13 -12.13,-12.053 -12.188,-11.961 -12.224,-11.858 -12.24,-11.721 -12.24,11.721 -12.224,11.858 -12.188,11.961 -12.13,12.053 -12.053,12.13 -11.961,12.188 -11.858,12.224 -11.721,12.24 11.721,12.24
+3.3 on 5 (GND) (split plane): 11.858,12.224 11.961,12.188 12.053,12.13 12.13,12.053 12.188,11.961 12.224,11.858 12.24,11.721 12.24,-11.721 12.224,-11.858 12.188,-11.961 12.13,-12.053 12.053,-12.13 11.961,-12.188 11.858,-12.224 11.721,-12.24 -11.721,-12.24 -11.858,-12.224 -11.961,-12.188 -12.053,-12.13 -12.13,-12.053 -12.188,-11.961 -12.224,-11.858 -12.24,-11.721 -12.24,11.721 -12.224,11.858 -12.188,11.961 -12.13,12.053 -12.053,12.13 -11.961,12.188 -11.858,12.224 -11.721,12.24 11.721,12.24

## Keep-outs
Keep-Out Layer:
  the board outline again, w0.254

## Other copper
1 Top (Sig/Pwr):
  rectangle net GND: 11.768,1.132 12.401,1.705
  rectangle net GND: 11.768,-0.902 12.4,-0.296
  rectangle net +5: 11.767,-1.659 12.399,-1.102
  rectangle net +12_CAB: 10.818,-3.282 12.399,-2.306
  rectangle net GND: 11.769,-4.081 12.4,-3.5
3 (Sig/Pwr):
  rectangle net +3.3: -3.736,-10.625 -1.9,-8.775
6 Bottom (Sig/Pwr):
  rectangle net +2.5: 9.556,-5.051 9.708,-4.728
  rectangle net +3.3: -5.159,-12.203 -2.052,-8.992
  rectangle net +1.8: 11.592,0.714 12.401,1.298
  rectangle net +3.3: 11.59,-0.5 12.4,0.108
  rectangle net +12_CAB: 11.59,-2.878 12.399,-2.299
  rectangle net +5: 11.588,-1.686 12.4,-1.1
  rectangle net GND: 11.591,-4.894 12.4,-3.9
  rectangle net GND: 11.592,2.3 12.4,3.3

## Text inside footprints (layer, text, board x,y; h text height)
S1: Bottom Overlay "E488074" at 18.431,33.042 h0.8 r90; Bottom Overlay "94V-0" at 17.471,33.042 h0.8 r90
S2: Bottom Overlay "RoHS Pb" at 15.386,36.905 h0.8 r90
S3: Bottom Overlay "©" at 12.225,36.704 h2 r270